# Altium PCB imx6ull开发板.PcbDoc (part 1 of 3)
Units mil, origin at the board's own origin, x right, y up, seen from the top; angles counter-clockwise.
Board outline 3937.01 x 2952.76 mil, 4 copper layers (Top Layer, GND, PWR, Bottom Layer), stack 30.634 mil thick; 190 components, 204 nets, 893 pads, 369 vias.
Unrouted connection lines stored in the file: 1.
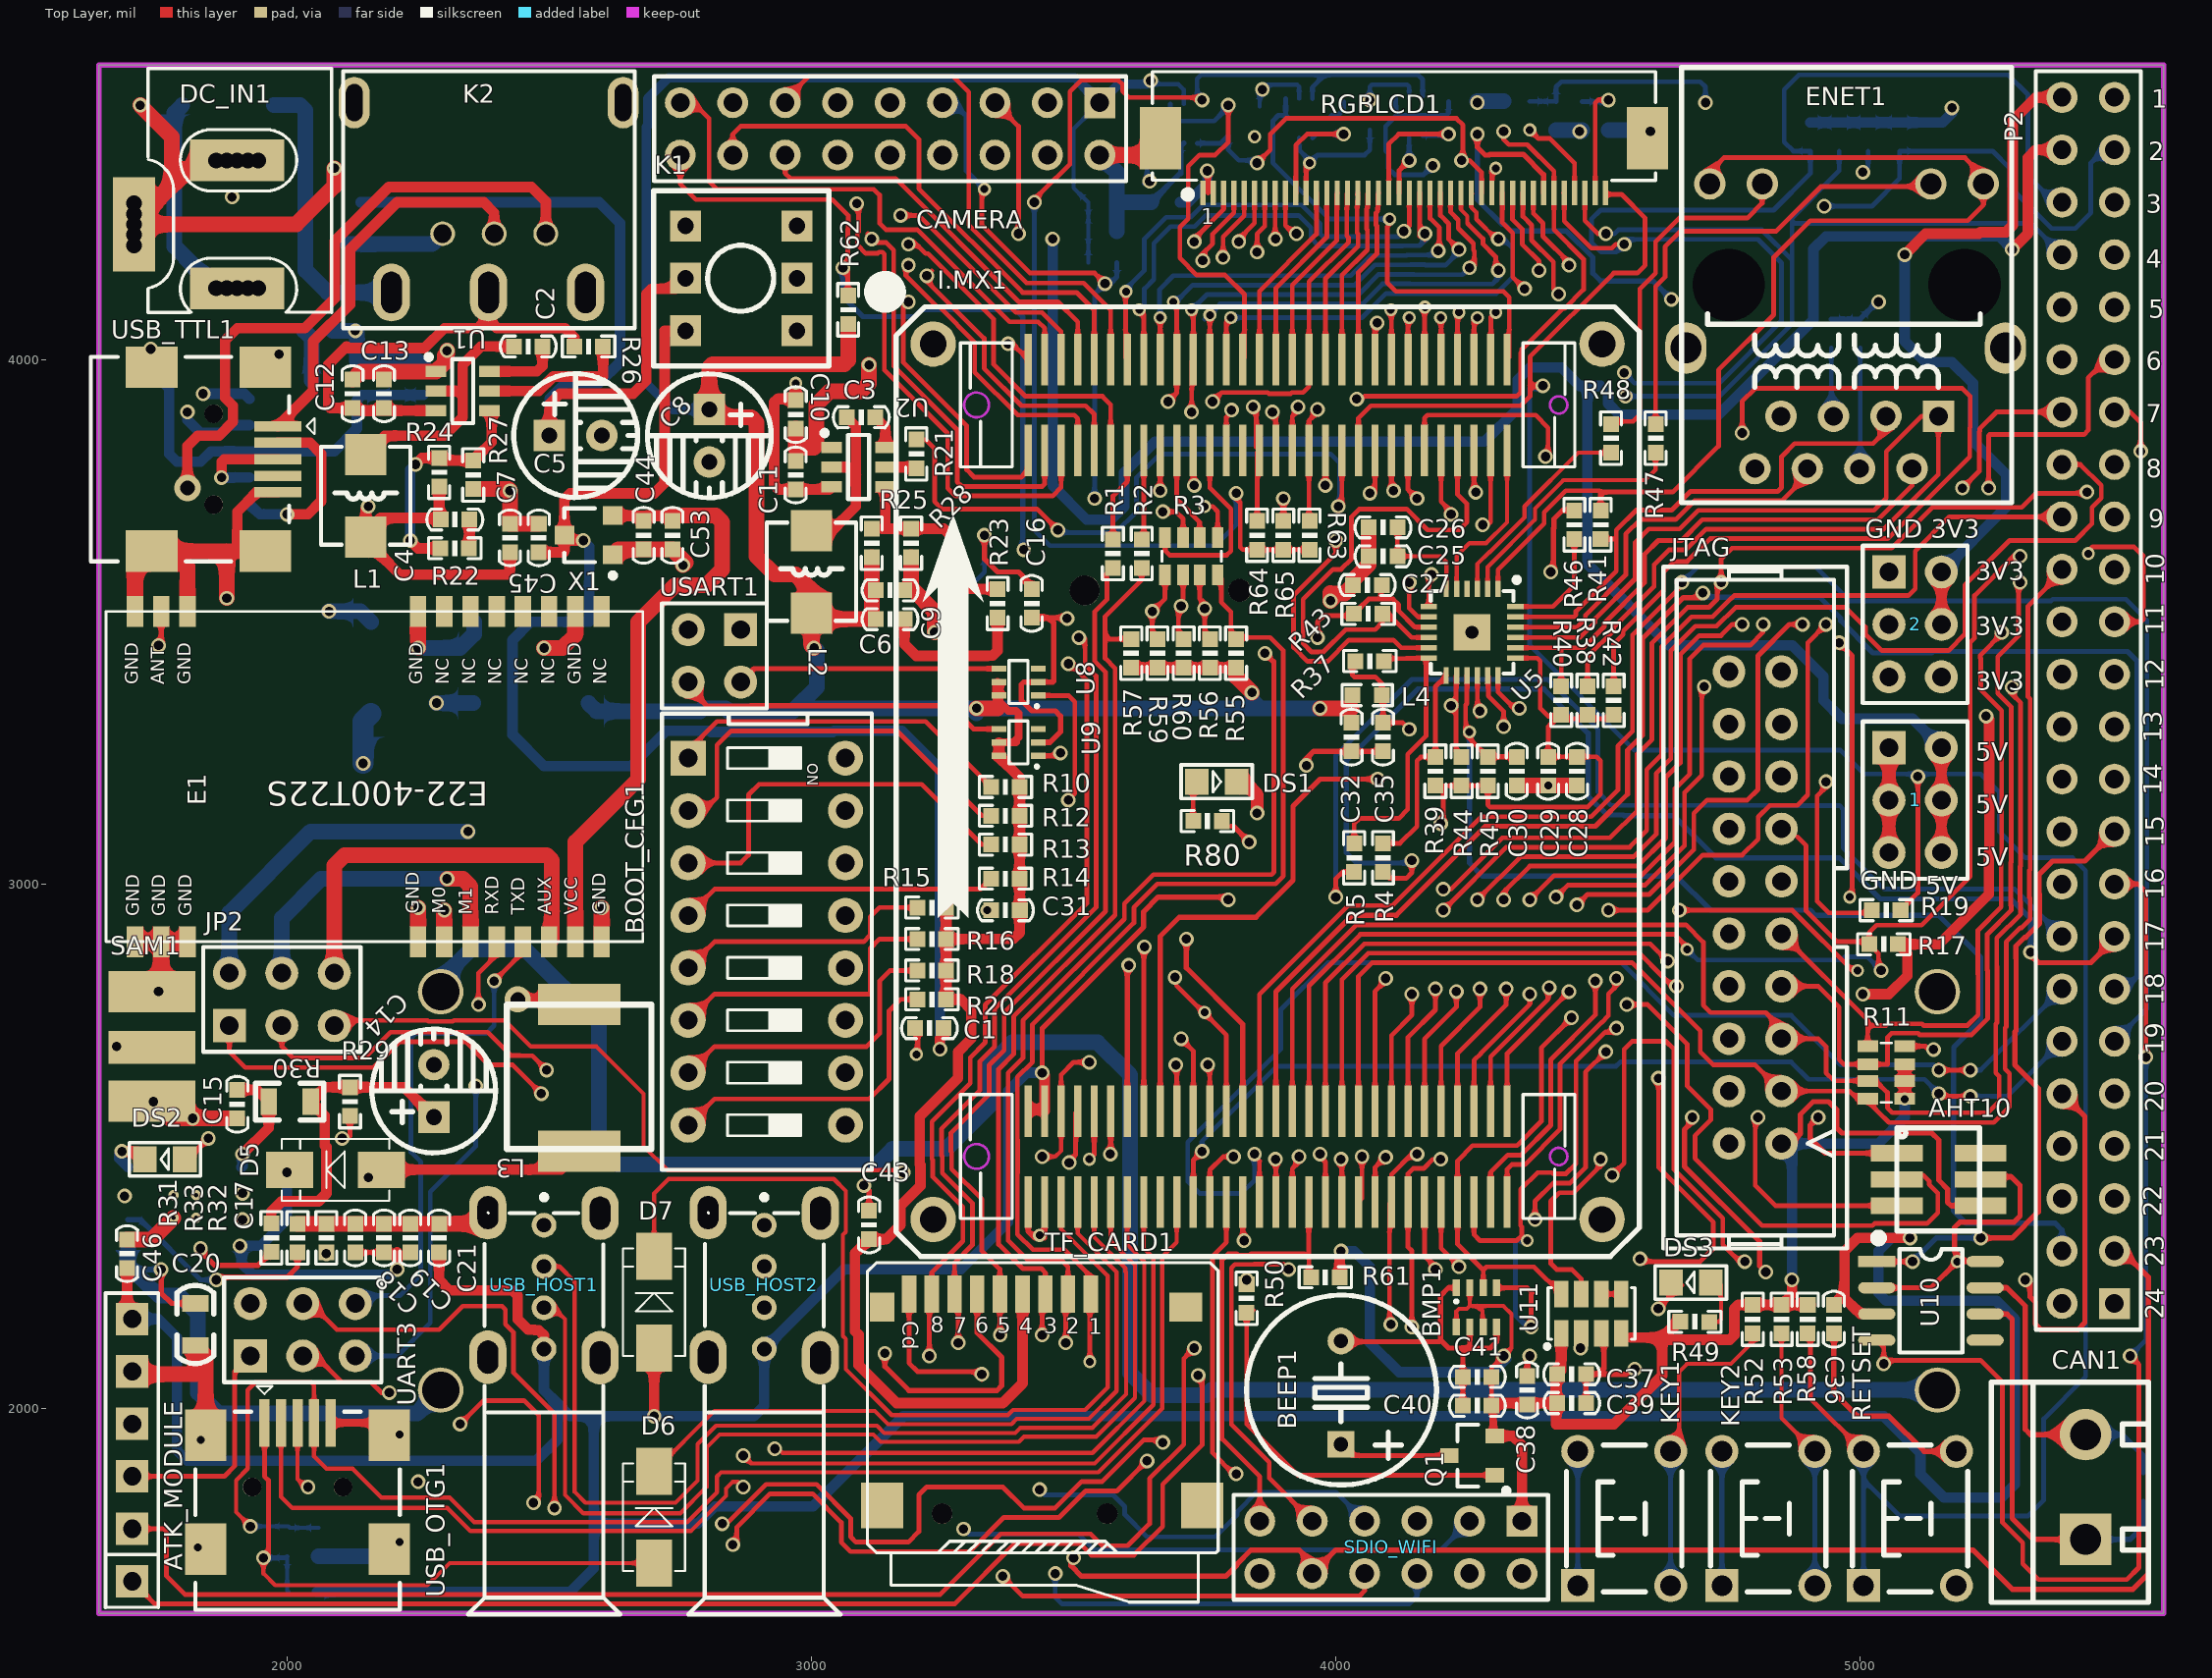
[diagram p0: Top Layer view]
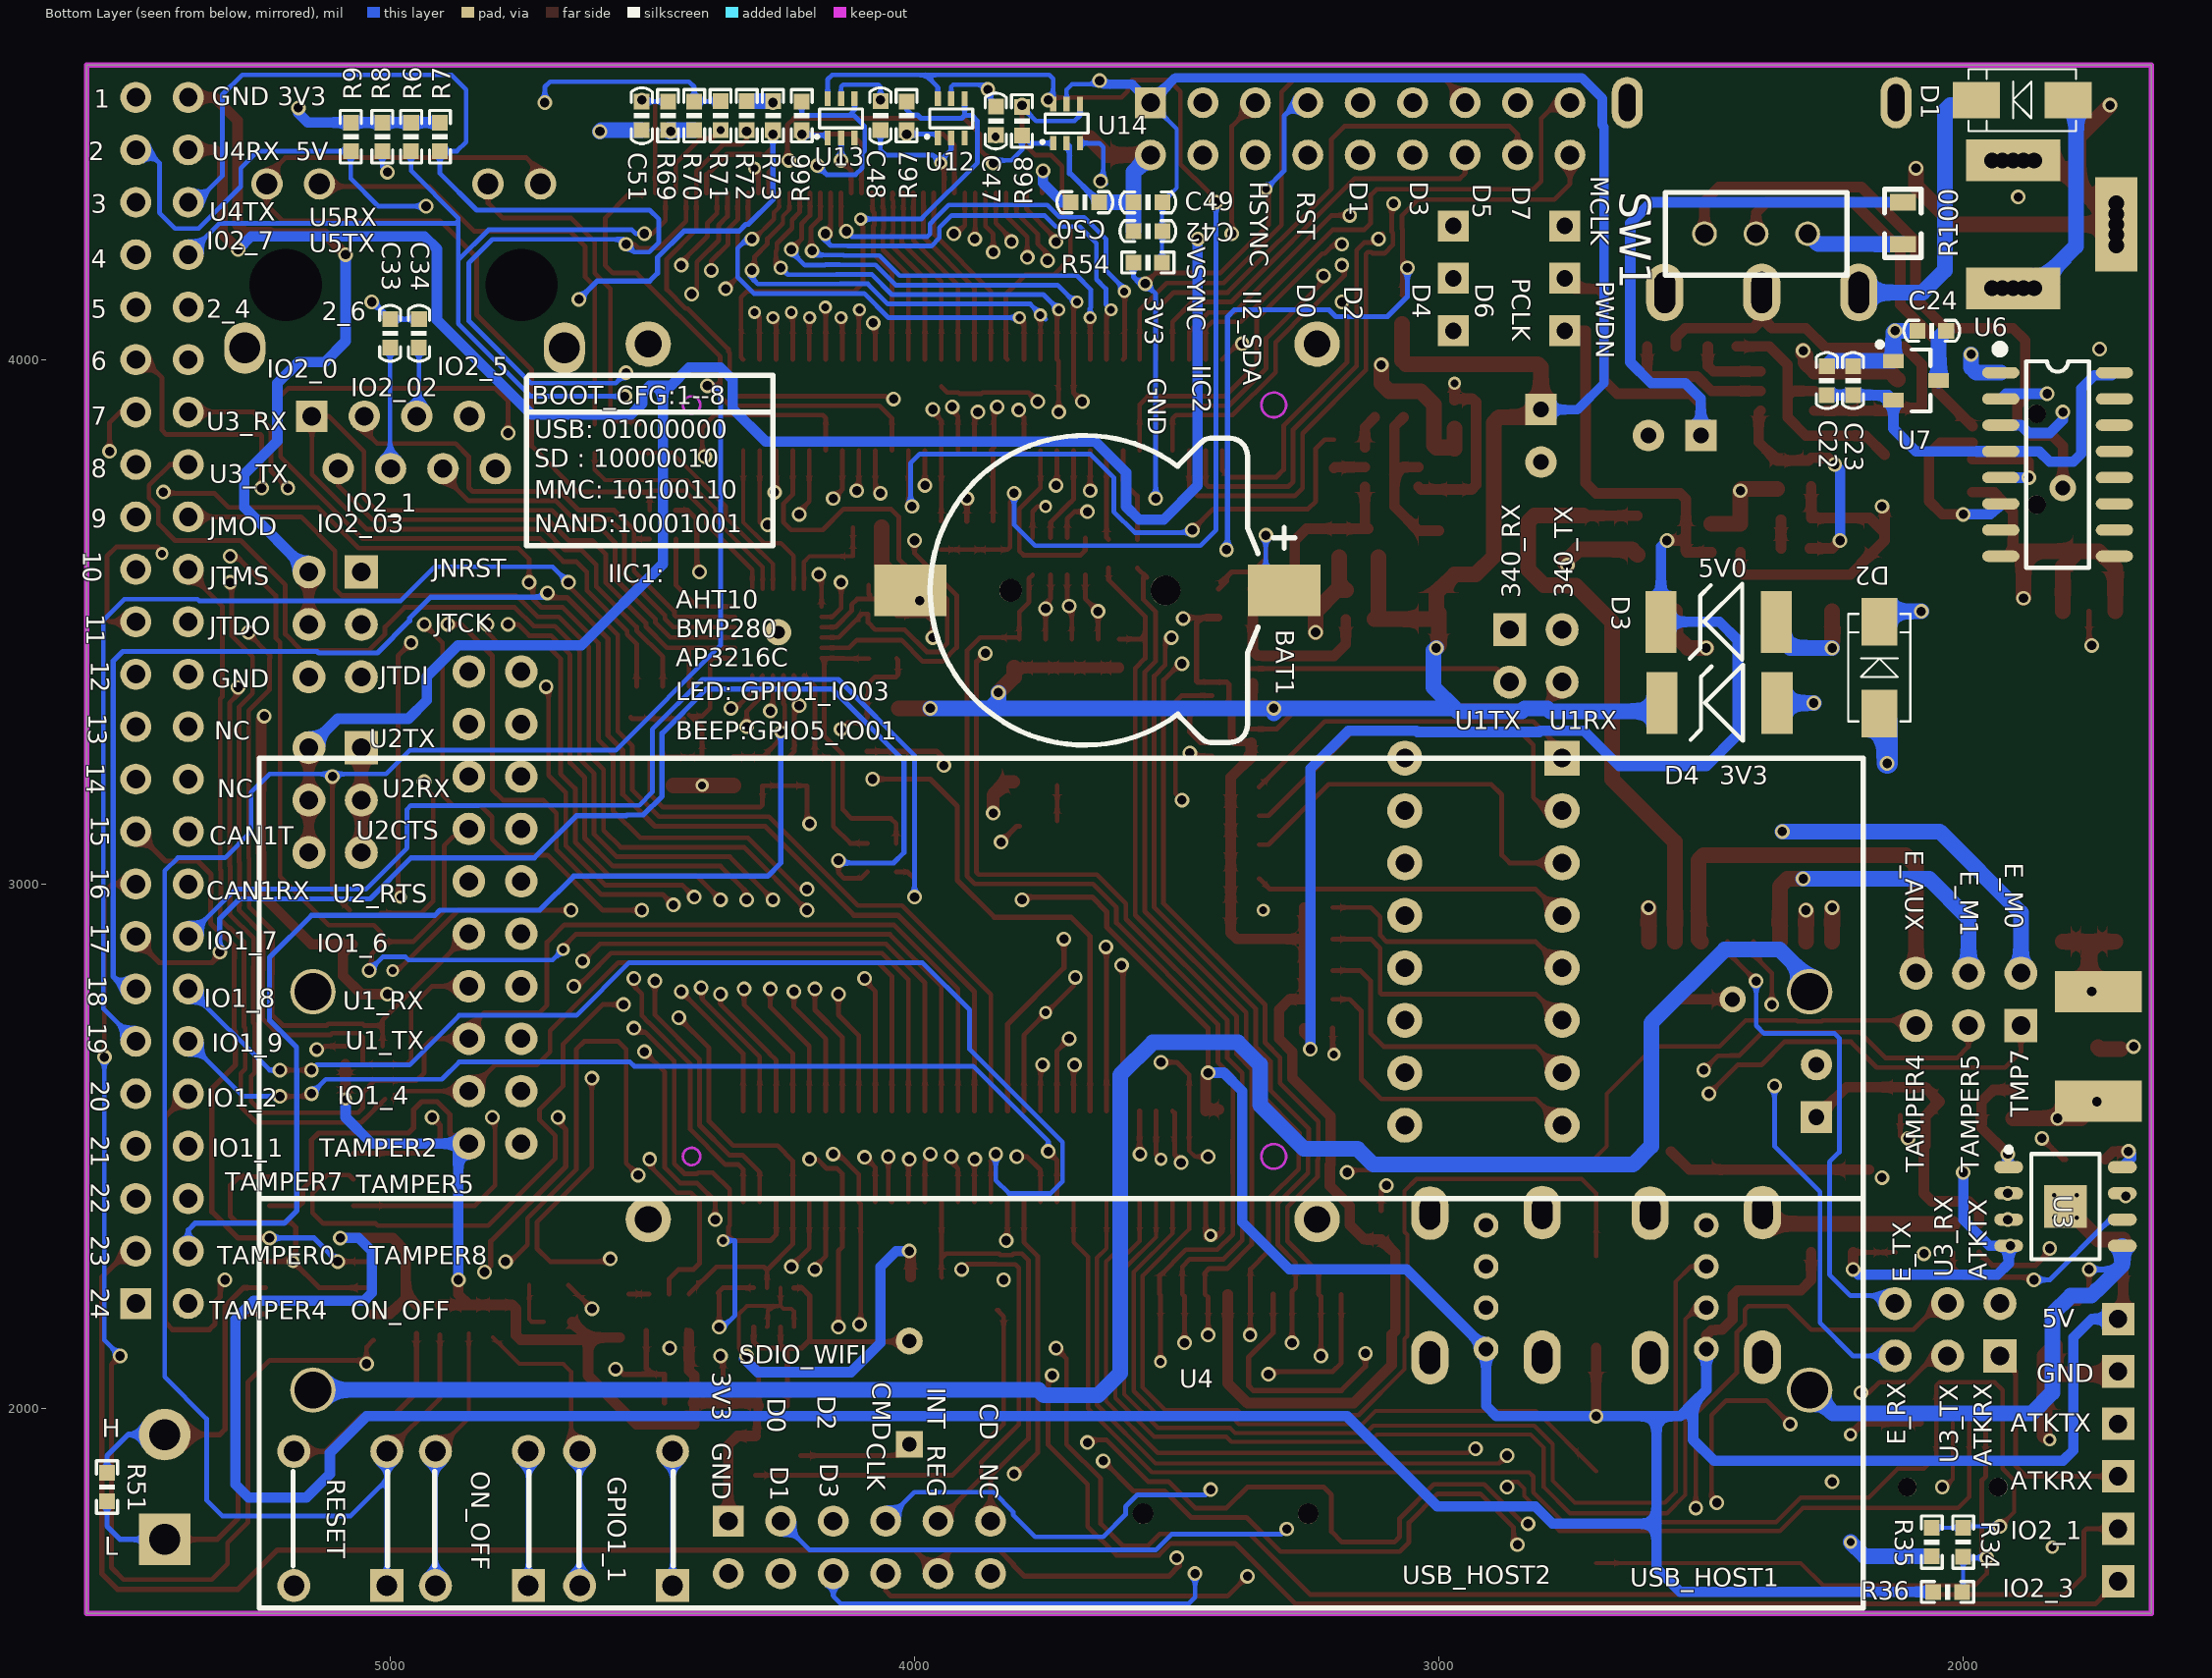
[diagram p1: Bottom Layer view, seen from below]
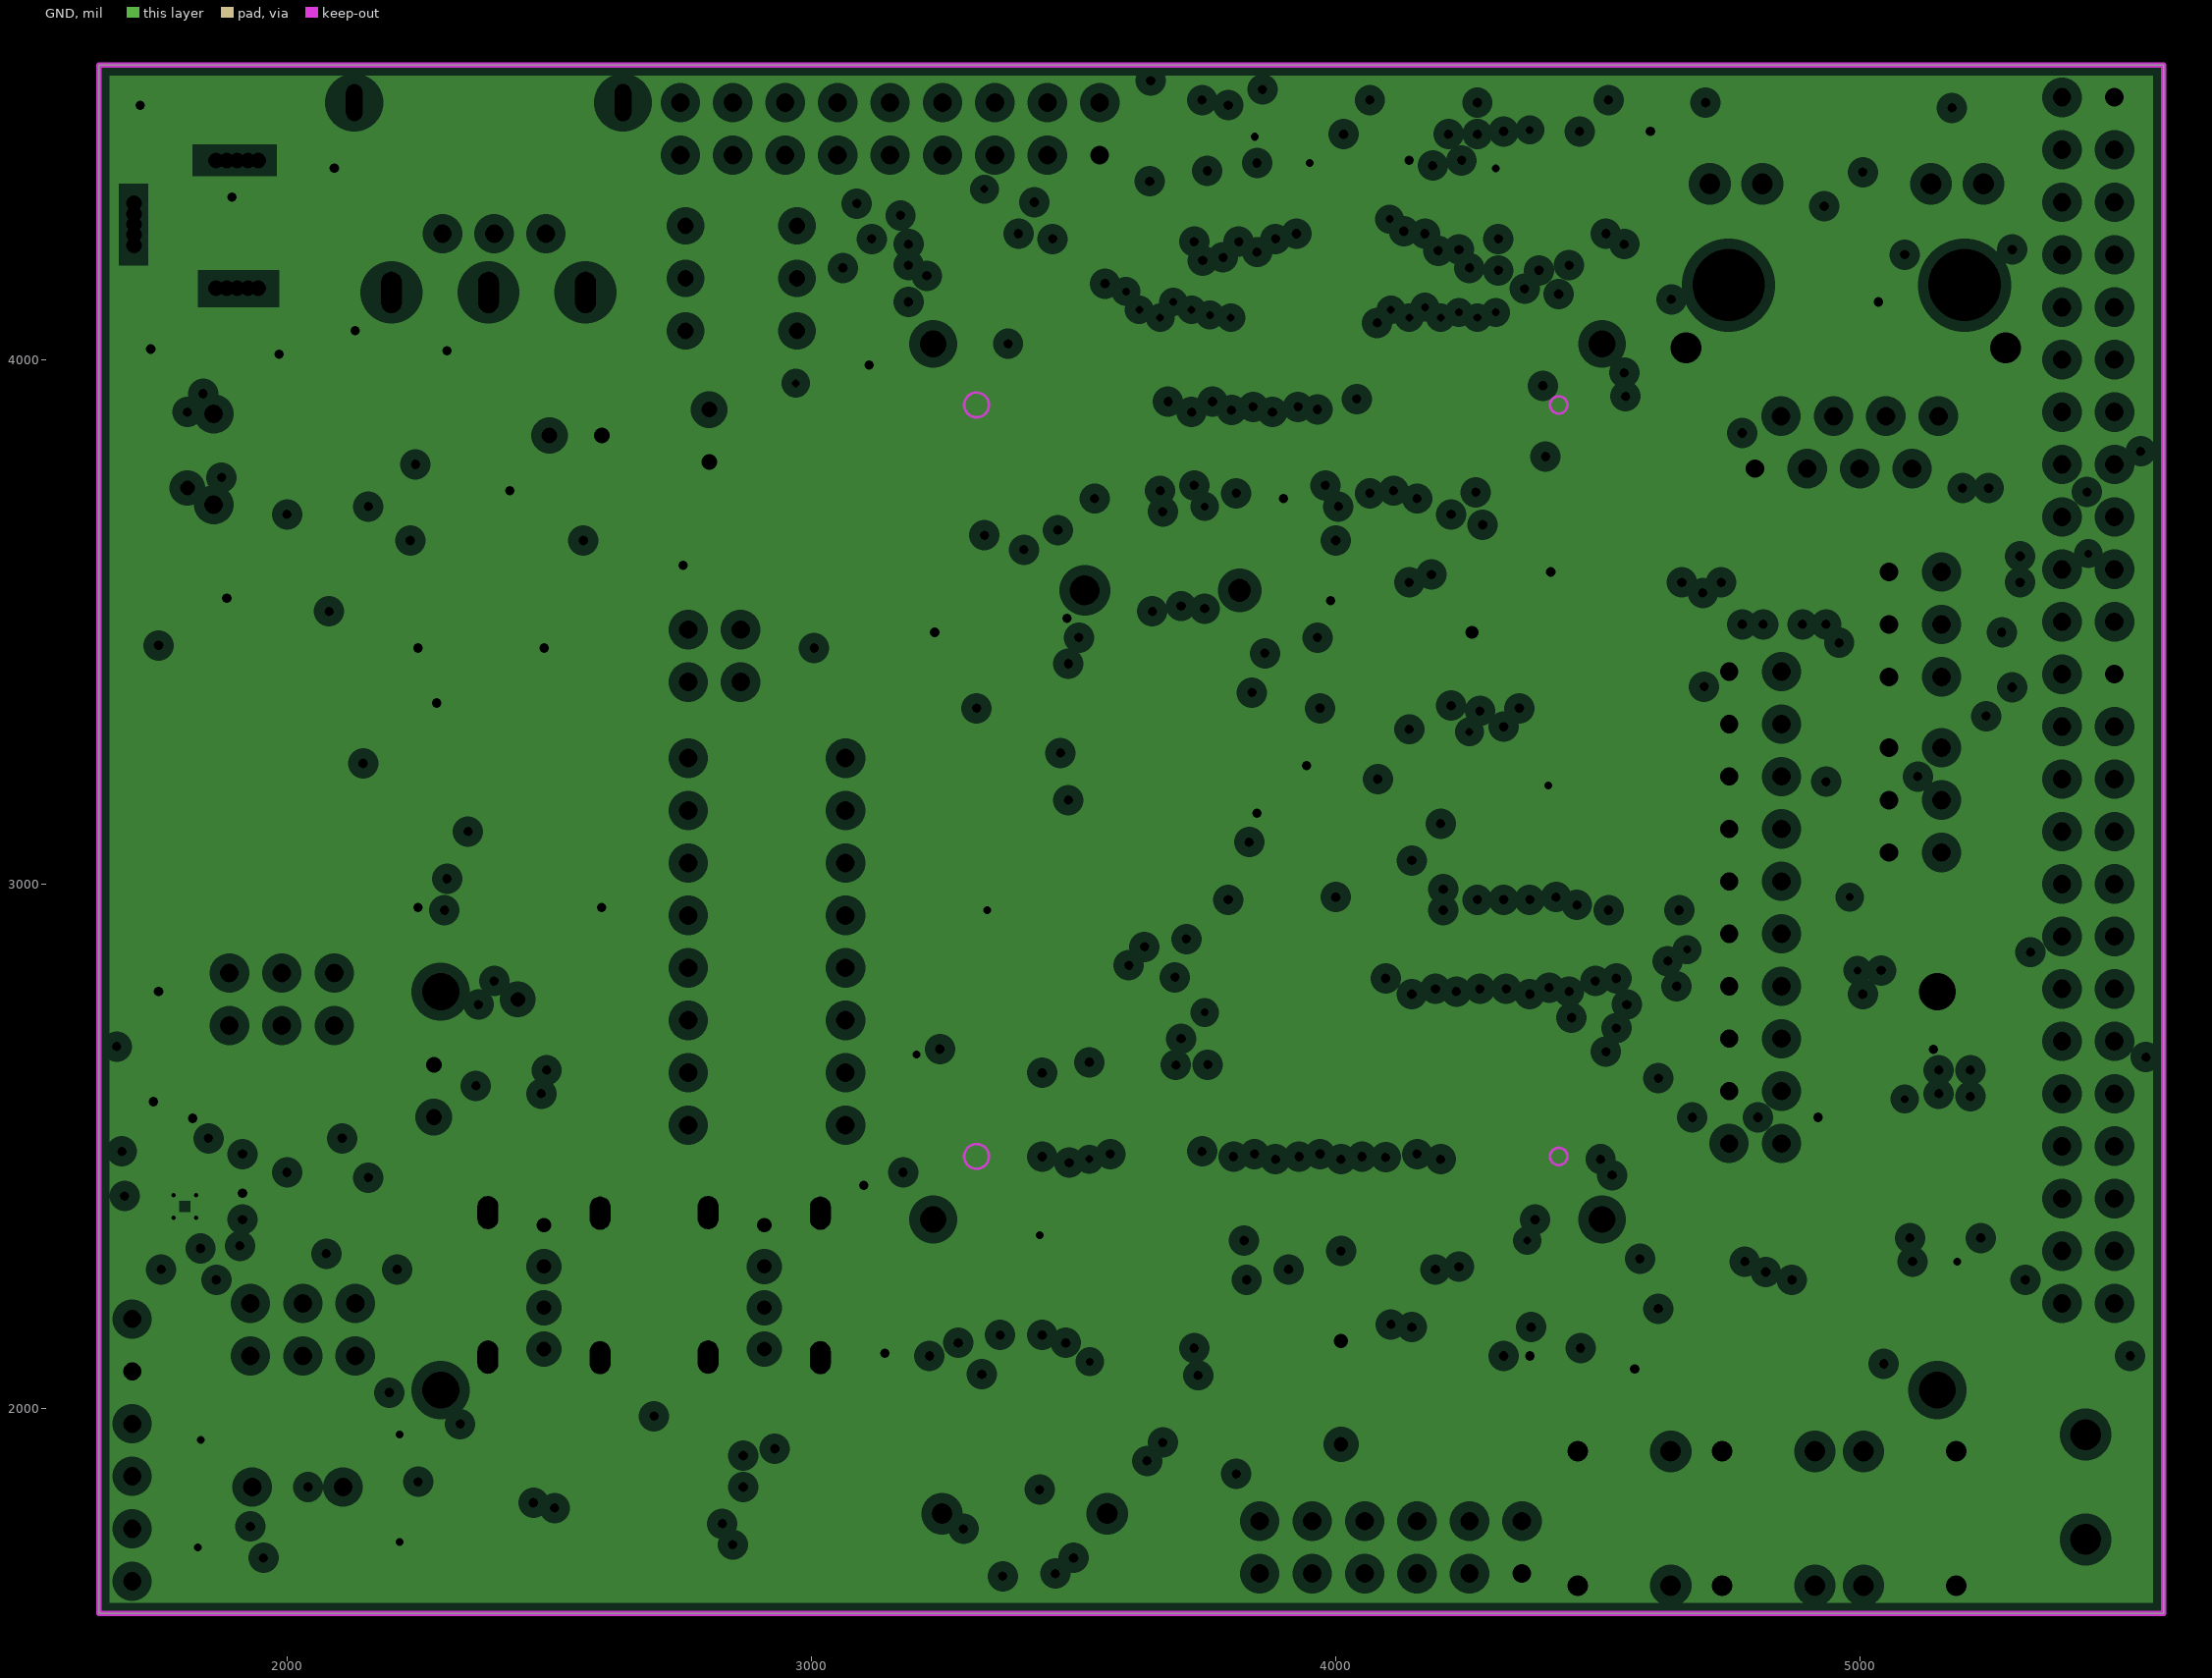
[diagram p2: GND, clearances drawn from the general rule]
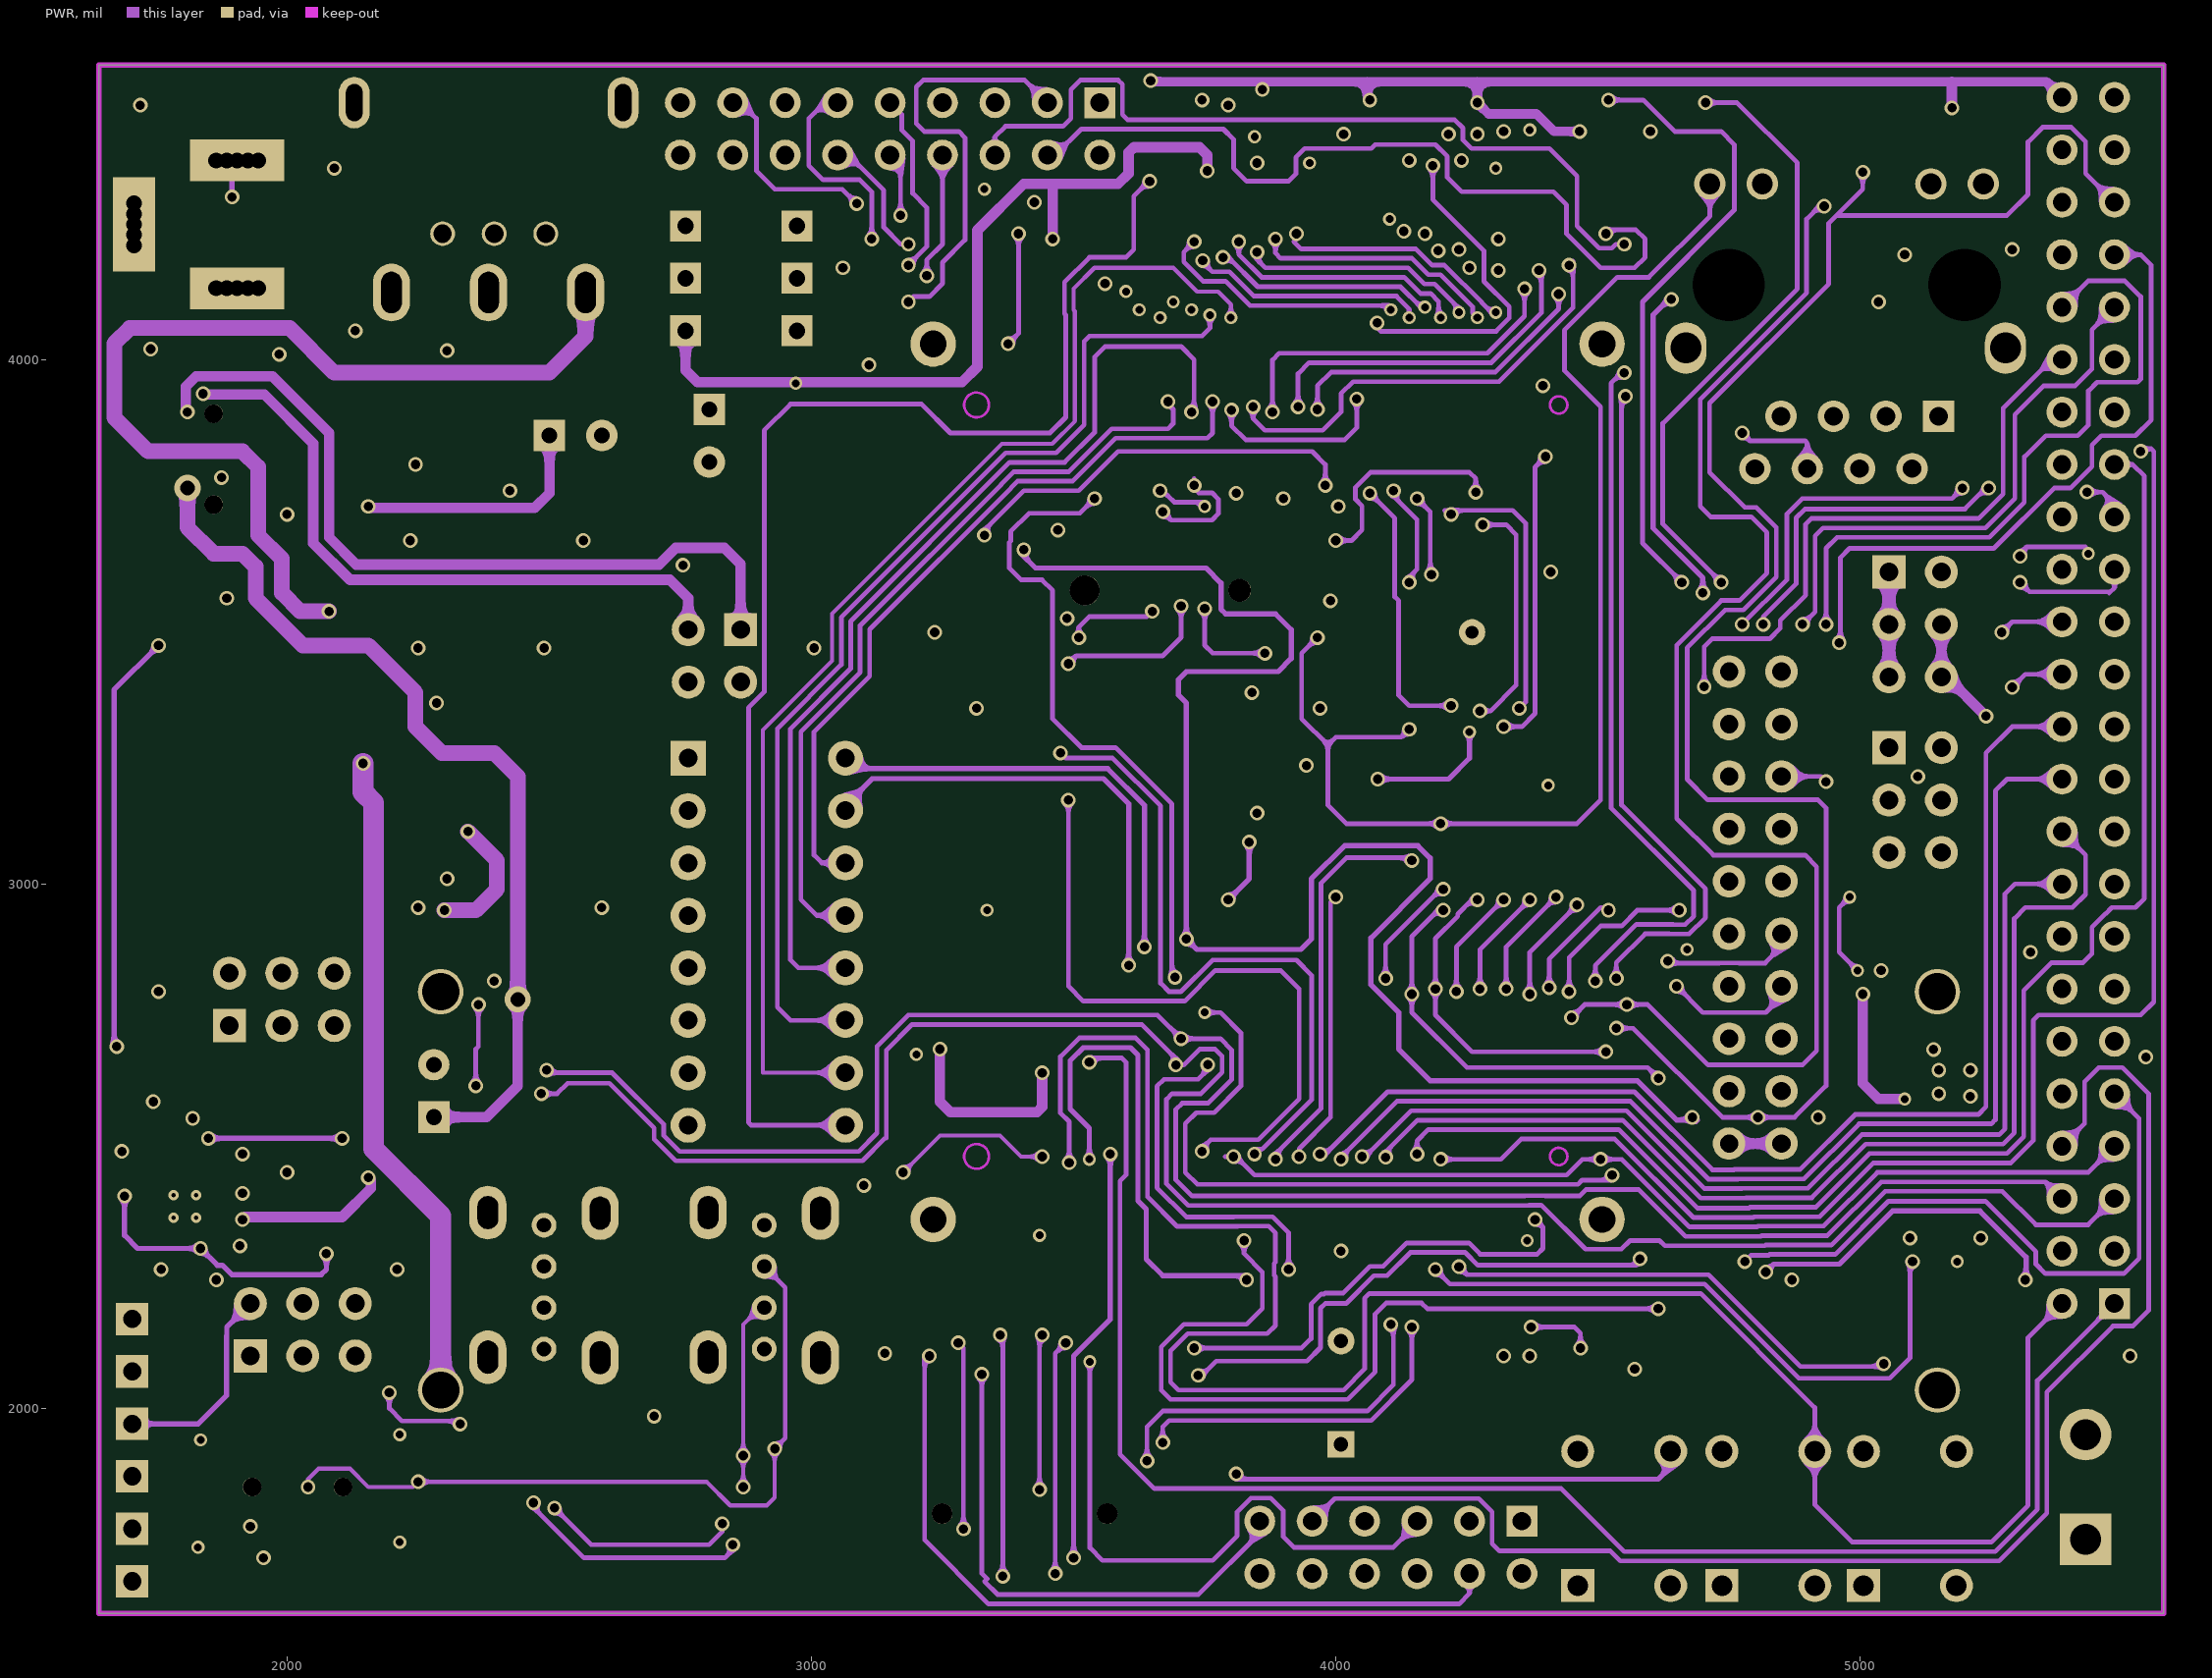
[diagram p3: PWR]

## Layer stack, top to bottom
Top Solder: solder mask 0.4, Solder Resist, Dk 3.5
Top Layer: signal copper 1.4
Dielectric 1: core 10, FR-4, Dk 4.2
GND: plane copper 1.417, net GND
Dielectric 3: prepreg 5, Dk 4.2
PWR: signal copper 1.417
Dielectric 2: core 10, Dk 4.2
Bottom Layer: signal copper 1.4
Bottom Solder: solder mask 0.4, Solder Resist, Dk 3.5

## Board outline
5578.5,1608.62 5578.5,4561.38 1641.5,4561.38 1641.5,1608.62

## Design rules (kind name [scope] priority, off if disabled: settings)
Clearance [All] p1: gap=9
ComponentClearance [All] p1: gap=0 collisioncheckmode=3 verticalgap=0 showdistances=TRUE
HoleSize [All] p1: absolutevalues=TRUE maxlimit=1000 minlimit=12 maxpercent=80.000 minpercent=20.000
MinimumSolderMaskSliver [All] p1: minsoldermaskwidth=1
PlaneClearance [All] p1: clearance=20
PlaneConnect [All] p1: planeconnectstyle=Relief reliefexpansion=20 reliefentries=4 reliefconductorwidth=10 reliefairgap=10
PolygonConnect [All] p1: connectstyle=Relief reliefconductorwidth=10 reliefentries=4 polygonreliefangle="90 Angle" airgapwidth=10
RoutingVias [All] p1: holewidth=18 width=28 viastyle="Through Hole" minholewidth=15 minwidth=24 maxholewidth=2800 maxwidth=5000
SilkToSilkClearance [All] p1: silktosilkclearance=0
SilkToSolderMaskClearance [IsPad] p1: minsilkscreentomaskgap=0 clearancetoexposedcopper=TRUE
SolderMaskExpansion [All] p1: expansion=4
Width [All] p1: maxlimit=1000 minlimit=7 preferedwidth=10
23 further rules are at their usual default settings.

## Classes and differential pairs
component class POWER: 1 2 BAT1 C2 C3 C4 C5 C6 C7 C8 C9 C10 C11 C12 C13 C14 C15 C16 C17 C18 C19 C20 D1 D2 D3 D4 D5 DC_IN1 DS1 DS2 K1 K2 L1 L2 L3 R21 R22 R23 R24 R25 R26 R27 R28 R29 R30 R31 R32 R33 R80 R100 SW1 U1 U2 U3 U4
component class DEVICE: ATK_MODULE C42 C43 C44 C45 C46 C47 C48 C49 C50 C51 C53 CAMERA E1 JP2 R54 R55 R56 R57 R58 R59 R60 R61 R62 R63 R64 R65 R66 R67 R68 R69 R70 R71 R72 R73 RETSET RGBLCD1 SAM1 TF_CARD1 U12 U13 U14 UART3 X1
component class DEVICE2: AHT10 BEEP1 BMP1 C36 C37 C38 C39 C40 C41 CAN1 DS3 KEY1 KEY2 Q1 R49 R50 R51 R52 R53 U10 U11
component class CORE: BOOT_CFG1 C1 I.MX1 JTAG P2 R1 R2 R3 R4 R5 R6 R7 R8 R9 R10 R11 R12 R13 R14 R15 R16 R17 R18 R19 R20 SDIO_WIFI
component class CONNECT: C21 C22 C23 C24 C25 C26 C27 C28 C29 C30 C31 C32 C33 C34 C35 D6 D7 ENET1 L4 R34 R35 R36 R37 R38 R39 R40 R41 R42 R43 R44 R45 R46 R47 R48 U5 U6 U7 U8 U9 USART1 USB_HOST1 USB_HOST2 USB_OTG1 USB_TTL1

## Components (designator, comment, footprint, x,y, rotation, side; value= is the part's Value field where it differs from the comment)
1 "RS232/RS485" HDR-3X2 5055,3260 r270 top
2 "RS232/RS485" HDR-3X2 5055,3595 r270 top
AHT10 "AHT10" "AHT10 温湿度传感器" 5070,2535 r0 top
ATK_MODULE "ATK MODULE" HEAD6 1705,1670 r90 top
BAT1 "1220" CR1220_B 3675,3560 r180 bottom locked
BEEP1 "BEEP" "BEEP 5x9x5.5" 4010,2030 r0 top
BMP1 "BMP280" BMP280 4230,2230 r90 top
BOOT_CFG1 "CSW-8P" "CSW DIP-8P" 2915,2890 r270 top
C1 "104" C_0603P 3225,2725 r180 top
C2 "104" C_0603P 2460,4025 r180 top
C3 "104" C_0603P 3095,3890 r180 top
C4 "103" C_0603P 2320,3695 r0 top
C5 "Cap Pol1" CAP2.54M 2500,3855 r0 top
C6 "103" C_0603P 3150,3505 r0 top
C7 "104" C_0603P 2425,3660 r270 top
C8 "Cap Pol1" CAP2.54M 2805,3905 r270 top
C9 "104" C_0603P 3150,3560 r180 top
C10 "104" C_0603P 2970,3895 r90 top
C11 "22UF" C_0603P 2970,3780 r270 top
C12 "104" C_0603P 2125,3935 r270 top
C13 "22UF" C_0603P 2185,3935 r270 top
C14 "Cap2" CAP2.54M 2280,2555 r90 top
C15 "1uF" C_0603P 1905,2580 r90 top
C16 "104" C_0603P 3420,3535 r90 top
C17 "22uF" C_0603P 2130,2325 r270 top
C18 "22uF" C_0603P 2185,2325 r270 top
C19 "1uF" C_0603P 2235,2325 r270 top
C20 "10uF" C_0805 1825,2120 r90 top
C21 "10uf" C_0603P 2290,2325 r270 top
C22 "104" C_0603P 2260,3960 r270 bottom
C23 "10UF" C_0603P 2210,3960 r270 bottom
C24 "10UF" C_0603P 2060,4055 r180 bottom
C25 "104" C_0603P 4090,3625 r0 top
C26 "10UF" C_0603P 4090,3680 r0 top
C27 "104" C_0603P 4060,3570 r0 top
C28 "104" C_0603P 4460,3215 r90 top
C29 "104" C_0603P 4405,3215 r90 top
C30 "104" C_0603P 4345,3215 r90 top
C31 "104" C_0603P 3370,2950 r0 top
C32 "104" C_0603P 4030,3280 r90 top
C33 "104" C_0603P 5000,4050 r270 bottom
C34 "104" C_0603P 4945,4050 r270 bottom
C35 "10UF" C_0603P 4090,3280 r90 top
C36 "104" C_0603P 4950,2170 r90 top
C37 "1UF" C_0603P 4450,2065 r180 top
C38 "104" C_0603P 4365,2035 r270 top
C39 "104" C_0603P 4450,2010 r180 top
C40 "106" C_0603P 4270,2005 r180 top
C41 "104" C_0603P 4270,2060 r180 top
C42 "104" C_0603P 3555,4245 r180 bottom
C43 "104" C_0603P 3110,2350 r270 top
C44 "1UF" C_0603P 2680,3665 r90 top
C45 "1UF" C_0603P 2480,3660 r270 top
C46 "104" C_0603P 1695,2295 r270 top
C47 "104" C_0603P 3845,4455 r90 bottom
C48 "104" C_0603P 4065,4465 r90 bottom
C49 "104" C_0603P 3555,4300 r180 bottom
C50 "104" C_0603P 3675,4300 r0 bottom
C51 "102" C_0603P 4520,4465 r270 bottom
C53 "104" C_0603P 2735,3665 r90 top